# Altium PCB S7CAS-PLEIADES-CARTE-MERE_Pxx.PcbDoc (part 1 of 8) (continued)
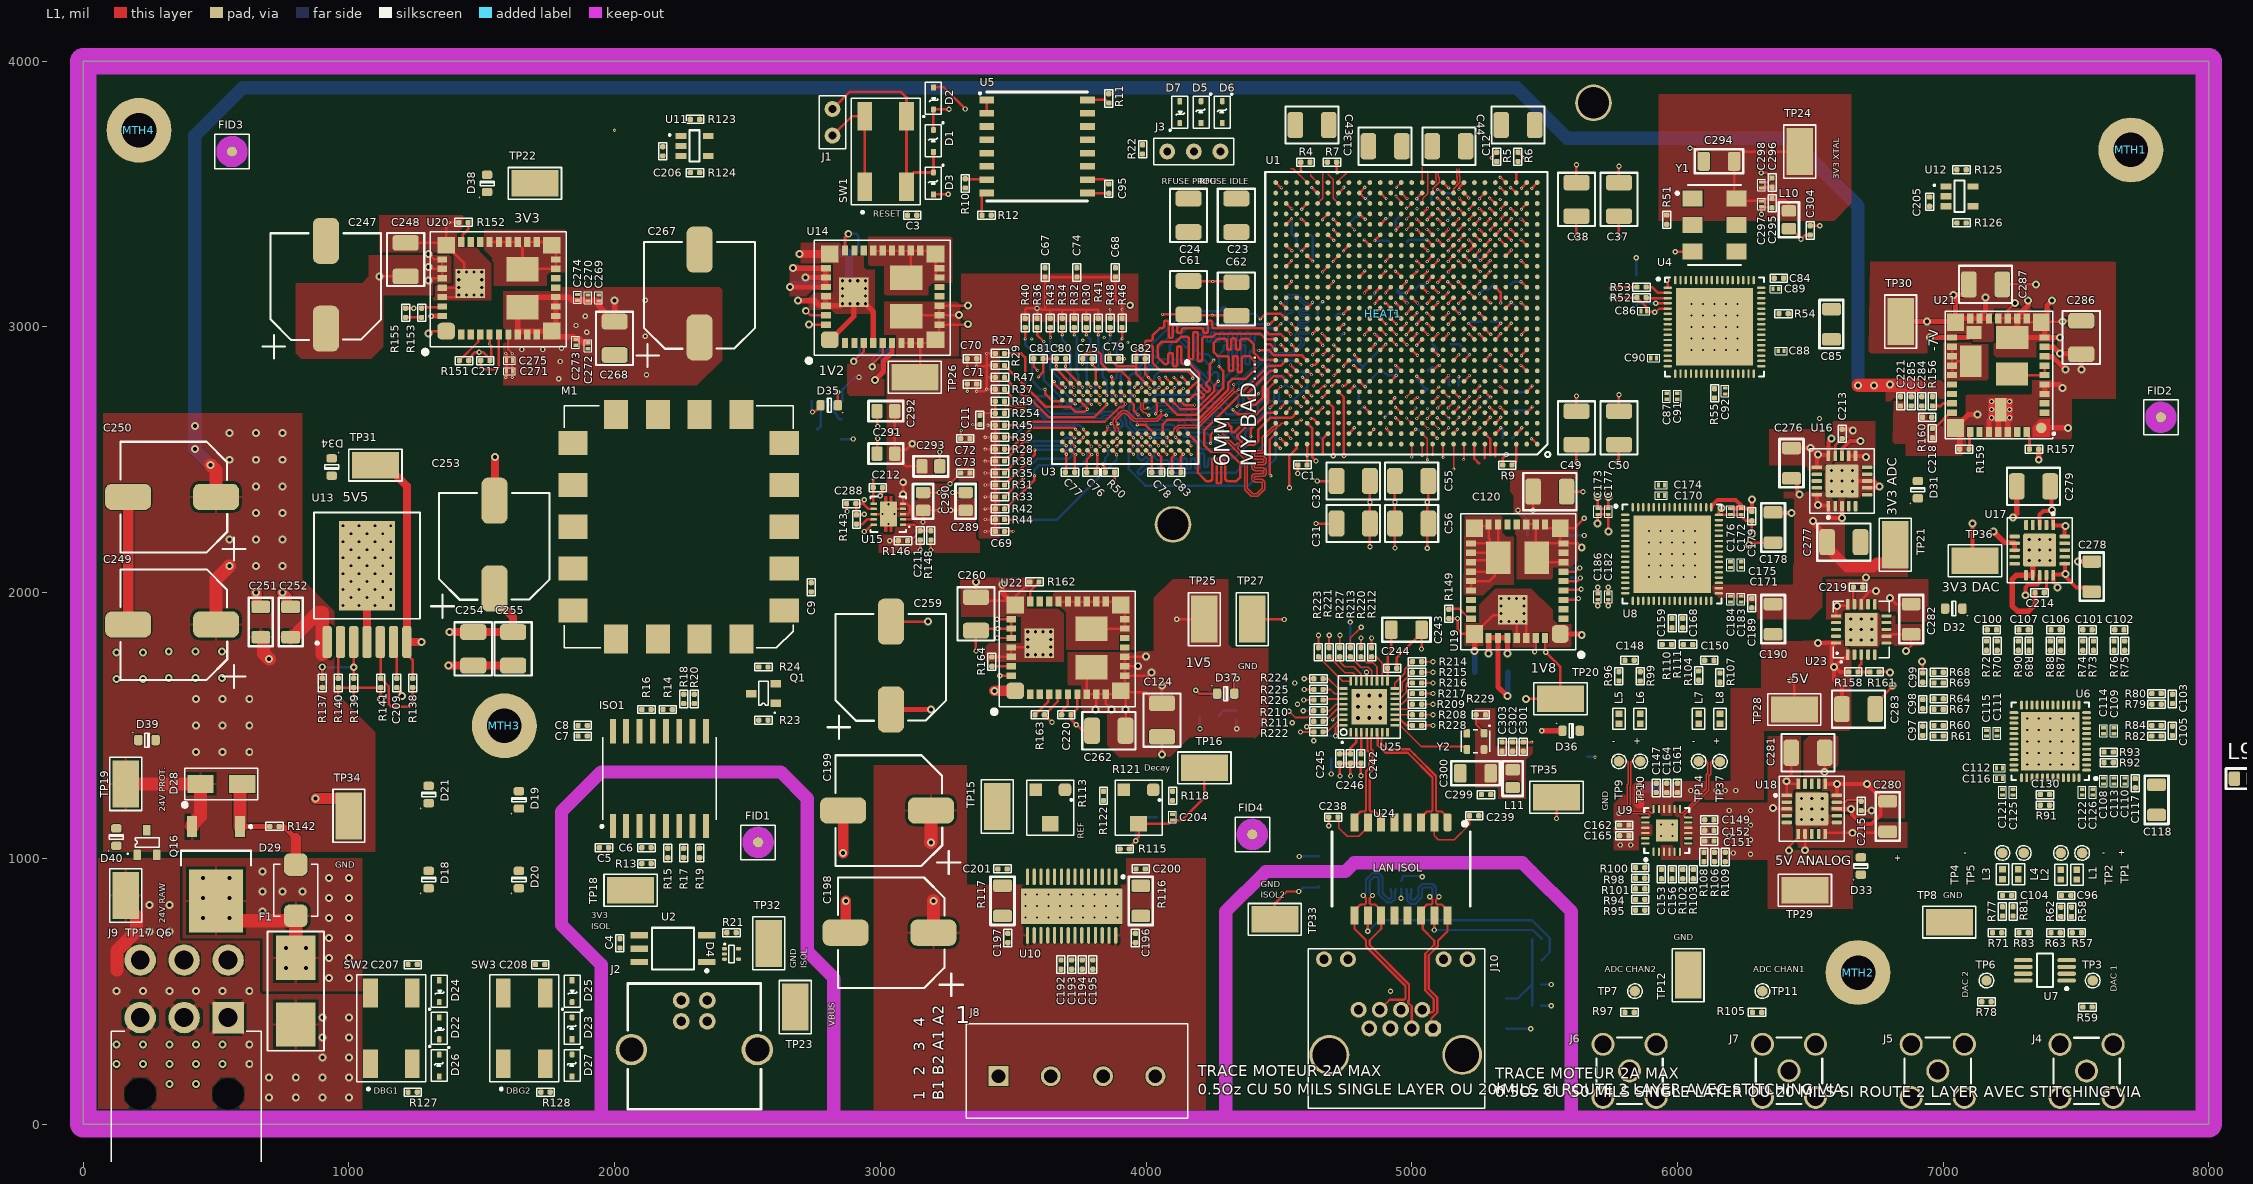
[diagram p0: L1 view]
## Classes and differential pairs
net class HEAVY_POWER: 24V_PROTECTED 24V_RAW NetD28_1 POWER_MOS_MID
net class MOT_POW: AOUT1 AOUT2 BOUT1 BOUT2
net class eth_diff: RX_ISOL_N RX_ISOL_P RX_N RX_P TX_ISOL_N TX_ISOL_P TX_N TX_P
differential pair class DDR_CLK_DIFF_PAIR: CK
net class DDR_CLK: CK_N CK_P
differential pair class DQL_CLK_DIFF_PAIR: LDQS
differential pair class DQH_CLK_DIFF_PAIR: UDQS
net class POWER_NET: 1V2_VCCINT 1V5_DIGITAL 1V8_DIGITAL 3V3_DIGITAL 3v3_ISOL 3V3_XTAL_125MHz 3V3A_ADC 3V3A_DAC 5V5 5V_A 24V_PROTECTED 24V_RAW -5V -7V GND ISOL2_GND ISOL_GND VBUS
differential pair class DDR_DIFF: CK LDQS UDQS
net class DDR_40OHM: A0 A1 A2 A3 A4 A5 A6 A7 A8 A9 A10 A11 A12 A13 BA0 BA1 BA2 CK_N CK_P CKE D0 D1 D2 D3 D4 D5 D6 D7 D8 D9 D10 D11 D12 D13 D14 D15 LDM nCAS nRAS nRESET nWE ODT UDM ZQ_RAM
differential pair class USB_90OHM: DD UD USB_DATA USB_DATA_ISOL
differential pair class LVDS: ADC_CLK_OUT CLK125MHz CLK_100MHz CLK_200MHz CLK_400MHz CLK_IC_200MHz D0 D1 D2 D3 D4 D5 D6 D7 DA0 DA2 DA4 DA6 DA8 DA10 DA12 DAC_REF_CLK DB0 DB2 DB4 DB6 DB8 DB10 DB12 DCI FRAME
differential pair class ETH75OHM: RX RX_ISOL TX TX_ISOL
differential pair class 100OHMDIFF: ADC1_IN ADC2_IN ADC_OP1_OUT ADC_OP2_OUT DAC1_MID DAC1_OUT DAC2_MID DAC2_OUT IND1 IND2 OPAMP1_IN OPAMP2_IN
net class 75OHM: NetC238_2 NetC239_2
net class 50OHM: ADC_OP_IN_1 ADC_OP_IN_2 NetR94_1 NetR94_2 NetR98_1 NetR98_2 NetR102_1 NetR102_2 NetR106_1 NetR106_2 NetR108_1
differential pair class OP_AMP_DIFF_CLASS: ADC1_IN ADC2_IN ADC_OP1_OUT ADC_OP2_OUT DAC1_MID DAC1_OUT DAC2_MID DAC2_OUT IND1 IND2 OPAMP1_IN OPAMP2_IN
net class DDR_DQH: D8 D9 D10 D11 D12 D13 D14 D15 UDM UDQS_N UDQS_P
differential pair class USB_DATA_PAIR: UD USB_DATA_ISOL
differential pair class ETH_ISOL_DIFF_PAIR: RX_ISOL TX_ISOL
differential pair class ETH_DIFF_PAIR: RX TX
differential pair class DQS_DIFF_PAIR: LDQS UDQS
differential pair class DDR_CK_PAIR: CK
differential pair class DAC_REF_CLK: DAC_REF_CLK
differential pair class DAC_DATA_PAIR: D0 D1 D2 D3 D4 D5 D6 D7 DCI FRAME
differential pair class CLK_400MHz: CLK_400MHz
differential pair class CLK_400MHz_PAIR: CLK_400MHz
differential pair class CLK_200MHz: CLK_200MHz CLK_IC_200MHz
differential pair class XTAL_CLK_125MHz: CLK125MHz
differential pair class CLK_100MHz: CLK_100MHz
differential pair class CLK_100MHz_PAIR: CLK_100MHz
differential pair class ADC_REF_CLOCK: ADC_CLK_OUT
differential pair class ADC_PAIR: DA0 DA2 DA4 DA6 DA8 DA10 DA12 DB0 DB2 DB4 DB6 DB8 DB10 DB12
differential pair class ADC_DATA_OUT: DA0 DA2 DA4 DA6 DA8 DA10 DA12 DB0 DB2 DB4 DB6 DB8 DB10 DB12
net class MII_TRANSMISSION_LINE: \MII_RST COL CRS INTRP MDC MDIO MII_CONFIG2 MII_NWAYEN MII_RXC MII_RXD0 MII_RXD1 MII_RXD2 MII_RXD3 MII_RXER MII_TXC MII_TXD0 MII_TXD1 MII_TXD2 MII_TXD3 MII_TXEN MII_TXER NetR206_1 NetR209_2 NetR210_2 NetR211_2 NetR212_2 NetR213_2 NetR214_2 NetR215_2 NetR216_2 NetR217_2 NetR220_2 NetR221_2 NetR222_2 NetR223_2 NetR224_2 NetR225_2 NetR226_2 NetR227_2 NetU25_9
net class DDR_DQL: D0 D1 D2 D3 D4 D5 D6 D7 LDM LDQS_N LDQS_P
net class DDR_ADDR: A0 A1 A2 A3 A4 A5 A6 A7 A8 A9 A10 A11 A12 A13 BA0 BA1 BA2 CKE nCAS nRAS nWE ODT
component class DNF_CLASS_COMPONENT: C222 C223 C224 C225 C226 C227 C228 C229 C230 C231 C232 C233 C234 C235 C236 C237 L9 R165 R166 R167 R168 R169 R170 R171 R172 R173 R174 R175 R176 R177 R178 R179 R180 R181 R182 R183 R184 R185 R186 R187 R188 R189 R190 R191 R192 R193 R194 R195 R196 R197 R198 R199 R200
differential pair OPAMP2_IN: +OPAMP2_IN_P -OPAMP2_IN_N
differential pair OPAMP1_IN: +OPAMP1_IN_P -OPAMP1_IN_N
differential pair DAC2_OUT: +DAC2_OUT_P -DAC2_OUT_N
differential pair DAC2_MID: +DAC2_MID_P -DAC2_MID_N
differential pair DAC1_OUT: +DAC1_OUT_P -DAC1_OUT_N
differential pair DAC1_MID: +DAC1_MID_P -DAC1_MID_N
differential pair IND2: +IND2_P -IND2_N
differential pair IND1: +IND1_P -IND1_N
differential pair ADC_OP2_OUT: +ADC_OP2_OUT_P -ADC_OP2_OUT_N
differential pair ADC_OP1_OUT: +ADC_OP1_OUT_P -ADC_OP1_OUT_N
differential pair ADC2_IN: +ADC2_IN_P -ADC2_IN_N
differential pair ADC1_IN: +ADC1_IN_P -ADC1_IN_N
differential pair USB_DATA: +USB_DATA_P -USB_DATA_N
differential pair USB_DATA_ISOL: +USB_DATA_ISOL_P -USB_DATA_ISOL_N
differential pair UD: +UD_P -UD_N
differential pair UDQS: +UDQS_P -UDQS_N
differential pair TX: +TX_P -TX_N
differential pair TX_ISOL: +TX_ISOL_P -TX_ISOL_N
differential pair RX: +RX_P -RX_N
differential pair RX_ISOL: +RX_ISOL_P -RX_ISOL_N
differential pair LDQS: +LDQS_P -LDQS_N
differential pair FRAME: +FRAME_P -FRAME_N
differential pair DD: +DD_P -DD_N
differential pair DCI: +DCI_P -DCI_N
differential pair DB12: +DB12_P -DB12_N
differential pair DB10: +DB10_P -DB10_N
differential pair DB8: +DB8_P -DB8_N
differential pair DB6: +DB6_P -DB6_N
differential pair DB4: +DB4_P -DB4_N
differential pair DB2: +DB2_P -DB2_N
differential pair DB0: +DB0_P -DB0_N
differential pair DAC_REF_CLK: +DAC_REF_CLK_P -DAC_REF_CLK_N
differential pair DA12: +DA12_P -DA12_N
differential pair DA10: +DA10_P -DA10_N
differential pair DA8: +DA8_P -DA8_N
differential pair DA6: +DA6_P -DA6_N
differential pair DA4: +DA4_P -DA4_N
differential pair DA2: +DA2_P -DA2_N
differential pair DA0: +DA0_P -DA0_N
differential pair D7: +D7_P -D7_N
differential pair D6: +D6_P -D6_N
differential pair D5: +D5_P -D5_N
differential pair D4: +D4_P -D4_N
differential pair D3: +D3_P -D3_N
differential pair D2: +D2_P -D2_N
differential pair D1: +D1_P -D1_N
differential pair D0: +D0_P -D0_N
differential pair CLK_IC_200MHz: +CLK_IC_200MHz_P -CLK_IC_200MHz_N
differential pair CLK_400MHz: +CLK_400MHz_P -CLK_400MHz_N
differential pair CLK_200MHz: +CLK_200MHz_P -CLK_200MHz_N
differential pair CLK_100MHz: +CLK_100MHz_P -CLK_100MHz_N
differential pair CLK125MHz: +CLK125MHz_P -CLK125MHz_N
differential pair CK: +CK_P -CK_N
differential pair ADC_CLK_OUT: +ADC_CLK_OUT_P -ADC_CLK_OUT_N

## Components (designator, comment, footprint, x,y, rotation, side; value= is the part's Value field where it differs from the comment)
C1 "0402" CAP_0402 4588.79,2480.31 r0 top value=100nF
C2 "0402" CAP_0402 4702.53,2952.75 r180 bottom value=100nF
C3 "0402" CAP_0402 3120,3420 r180 top value=100nF
C4 "0402" CAP_0402 2020,680 r270 top
C5 "0402" CAP_0402 1960,1040 r180 top
C6 "0402" CAP_0402 2120,1040 r0 top
C7 "0402" CAP_0402 1880,1460 r0 top
C8 "0402" CAP_0402 1880,1500 r0 top
C9 "0402" CAP_0402 2740,2020 r90 top value=0.47uF
C10 "0402" CAP_0402 5179.34,3503.93 r0 bottom value=0.47uF
C11 "0402" CAP_0402 3375,2650 r90 top
C12 "CAP - 1210" CAP_1210 5140,3680 r180 top value=47uF
C13 "CAP - 1210" CAP_1210 4900,3680 r0 top value=47uF
C15 "CAP - 0805" CAP_0805 4586.6,3346.45 r0 bottom value=4.7uF
C16 "CAP - 0805" CAP_0805 4684,3487 r0 bottom value=4.7uF
C18 "0402" CAP_0402 5236.21,3289.58 r270 bottom value=0.47uF
C19 "0402" CAP_0402 5196.84,3092.73 r270 bottom value=0.47uF
C20 "0402" CAP_0402 4940,3420 r0 bottom value=0.47uF
C21 "0402" CAP_0402 4864.38,3503.93 r0 bottom value=0.47uF
C22 "0402" CAP_0402 4741.9,3385.82 r0 bottom value=0.47uF
C23 "CAP - 1210" CAP_1210 4340,3420 r270 top value=47uF
C24 "CAP - 1210" CAP_1210 4160,3420 r270 top value=47uF
C25 "CAP - 0805" CAP_0805 4980,3140 r180 bottom value=4.7uF
C26 "CAP - 0805" CAP_0805 5113,2934 r180 bottom value=4.7uF
C27 "0402" CAP_0402 4864.38,3110.23 r0 bottom value=0.47uF
C28 "0402" CAP_0402 4940,3070 r180 bottom value=0.47uF
C29 "0402" CAP_0402 5039.36,3053.36 r270 bottom value=0.47uF
C30 "0402" CAP_0402 4881.88,2974.62 r270 bottom value=0.47uF
C31 "CAP - 1210" CAP_1210 4780,2260 r0 top value=47uF
C32 "CAP - 1210" CAP_1210 4780,2420 r0 top value=47uF
C33 "CAP - 0805" CAP_0805 5060,2800 r270 bottom value=4.7uF
C34 "0402" CAP_0402 5160,2780 r180 bottom value=0.47uF
C35 "0402" CAP_0402 5060,2717 r180 bottom value=0.47uF
C36 "0402" CAP_0402 5057,2599 r0 bottom value=0.47uF
C37 "CAP - 1210" CAP_1210 5780,3480 r270 top value=47uF
C38 "CAP - 1210" CAP_1210 5620,3480 r270 top value=47uF
C39 "CAP - 0805" CAP_0805 5340,3160 r0 bottom value=4.7uF
C40 "0402" CAP_0402 5280,3020 r180 bottom value=0.47uF
C41 "0402" CAP_0402 5415.56,3070.86 r180 bottom value=0.47uF
C42 "0402" CAP_0402 5354.32,3289.58 r270 bottom value=0.47uF
C43 "CAP - 1210" CAP_1210 4625,3760 r180 top value=47uF
C44 "CAP - 1210" CAP_1210 5400,3760 r0 top value=47uF
C45 "CAP - 0805" CAP_0805 4950,3320 r180 bottom value=4.7uF
C47 "0402" CAP_0402 5056.86,3464.56 r180 bottom value=0.47uF
C48 "0402" CAP_0402 5137.5,3425 r180 bottom value=0.47uF
C49 "CAP - 1210" CAP_1210 5620,2620 r90 top value=47uF
C50 "CAP - 1210" CAP_1210 5780,2620 r90 top value=47uF
C51 "CAP - 0805" CAP_0805 5380,2720 r270 bottom value=4.7uF
C53 "0402" CAP_0402 5255,2715 r0 bottom value=0.47uF
C54 "0402" CAP_0402 5360,2580 r0 bottom value=0.47uF
C55 "CAP - 1210" CAP_1210 5000,2420 r180 top value=47uF
C56 "CAP - 1210" CAP_1210 5000,2260 r180 top value=47uF
C57 "CAP - 0805" CAP_0805 4850,2845 r0 bottom value=4.7uF
C59 "0402" CAP_0402 4921.25,2699.03 r270 bottom value=0.47uF
C60 "0402" CAP_0402 4800,2700 r270 bottom value=0.47uF
C61 "CAP - 1210" CAP_1210 4160,3110 r270 top value=47uF
C62 "CAP - 1210" CAP_1210 4340,3105 r270 top value=47uF
C63 "CAP - 0805" CAP_0805 4680,3040 r180 bottom value=4.7uF
C65 "0402" CAP_0402 4623.79,2913.38 r180 bottom value=0.47uF
C66 "0402" CAP_0402 4525,2660 r90 bottom value=0.47uF
C67 "0402" CAP_0402 3620,3205 r270 top
C68 "0402" CAP_0402 3885,3205 r270 top
C69 "0402" CAP_0402 3450,2230 r180 top
C70 "0402" CAP_0402 3345,2880 r0 top
C71 "0402" CAP_0402 3345,2785 r0 top
C72 "0402" CAP_0402 3320,2580 r0 top
C73 "0402" CAP_0402 3320,2450 r0 top
C74 "0402" CAP_0402 3740,3205 r270 top
C75 "0402" CAP_0402 3780,2880 r180 top
C76 "0402" CAP_0402 3794,2452.82 r180 top
C77 "0402" CAP_0402 3714,2452.82 r0 top
C78 "0402" CAP_0402 4039,2452.82 r0 top
C79 "0402" CAP_0402 3880,2880 r180 top
C80 "0402" CAP_0402 3680,2880 r180 top
C81 "0402" CAP_0402 3595,2880 r0 top
C82 "0402" CAP_0402 3980,2880 r180 top
C83 "0402" CAP_0402 4114,2452.82 r180 top
C84 "0402" CAP_0402 6381.69,3183.31 r180 top value=1uF
C85 "CAP - 1206" CAP_1206 6579.69,3010 r270 top value=22uF
C86 "CAP - 0201" CAP_0201 5873.69,3060 r0 top value=1nF
C87 "CAP - 0201" CAP_0201 5959.69,2739 r90 top value=1nF
C88 "CAP - 0201" CAP_0201 6390.69,2910 r180 top value=1nF
C89 "CAP - 0201" CAP_0201 6370.69,3143.31 r180 top value=220pF
C90 "CAP - 0201" CAP_0201 5910.69,2883.31 r0 top value=220pF
C91 "CAP - 0201" CAP_0201 5999.69,2739 r90 top value=220pF
C92 "CAP - 0201" CAP_0201 6179.69,2759 r90 top value=220pF
C93 "CAP - 1206" CAP_1206 6399.69,2890 r90 bottom value=10uF
C94 "CAP - 1206" CAP_1206 5844.69,3137 r270 bottom value=10uF
C95 "0402" CAP_0402 3860,3520 r270 top value=100nF
C96 "0402" CAP_0402 7463.31,860 r0 top value=1pF
C97 "0402" CAP_0402 6923.31,1480 r270 top value=100nF
C98 "0402" CAP_0402 6923.31,1580 r270 top value=100nF
C99 "0402" CAP_0402 6923.31,1680 r270 top value=100nF
C100 "0402" CAP_0402 7183.31,1860 r180 top value=100nF
C101 "0402" CAP_0402 7543.31,1860 r180 top value=100nF
C102 "0402" CAP_0402 7663.31,1860 r0 top value=100nF
C103 "0402" CAP_0402 7863.31,1600 r90 top value=100nF
C104 "0402" CAP_0402 7240.81,860 r180 top value=1pF
C105 "0402" CAP_0402 7863.31,1480 r90 top value=100nF
C106 "0402" CAP_0402 7423.31,1860 r180 top value=100nF
C107 "0402" CAP_0402 7303.31,1860 r180 top value=100nF
C108 "CAP - 0201" CAP_0201 7603.31,1291 r90 top value=220pF
C109 "CAP - 0201" CAP_0201 7643.31,1480 r270 top value=220pF
C110 "CAP - 0201" CAP_0201 7683.31,1291 r90 top value=220pF
C111 "CAP - 0201" CAP_0201 7203.31,1471 r270 top value=220pF
C112 "CAP - 0201" CAP_0201 7212.31,1340 r0 top value=220pF
C113 "CAP - 0201" CAP_0201 7643.31,1291 r90 top value=1nF
C114 "CAP - 0201" CAP_0201 7603.31,1480 r270 top value=1nF
C115 "CAP - 0201" CAP_0201 7163.31,1471 r270 top value=1nF
C116 "CAP - 0201" CAP_0201 7212.31,1300 r0 top value=1nF
C117 "0402" CAP_0402 7723.31,1282.5 r90 top value=100nF
C118 "CAP - 1206" CAP_1206 7803.31,1220 r90 top value=10uF
C119 "CAP - 1206" CAP_1206 4650,950 r270 bottom value=1000pF
C120 "CAP - 1210" CAP_1210 5520,2380 r180 top value=47uF
C121 "CAP - 0201" CAP_0201 7223.31,1249 r90 top value=220pF
C122 "CAP - 0201" CAP_0201 7523.31,1249 r90 top value=220pF
C123 "CAP - 0201" CAP_0201 7532.31,1260 r180 bottom value=220pF
C124 "CAP - 1210" CAP_1210 4060,1520 r90 top value=47uF
C125 "CAP - 0201" CAP_0201 7263.31,1249 r90 top value=1nF
C126 "CAP - 0201" CAP_0201 7563.31,1249 r90 top value=1nF
C127 "CAP - 0201" CAP_0201 7532.31,1220 r180 bottom value=1nF
C128 "0402" CAP_0402 7543.31,1180 r180 bottom value=100nF
C129 "CAP - 1206" CAP_1206 7643.31,1200 r270 bottom value=10uF
C130 "0402" CAP_0402 7383.31,1240 r0 top value=100nF
C133 "CAP - 0402" CAP_0402 7234.81,588.39 r270 bottom value=10nF
C136 "0402" CAP_0402 7274.81,588.39 r270 bottom value=100nF
C137 "0402" CAP_0402 7314.81,588.39 r270 bottom value=470nF
C138 "CAP - 1206" CAP_1206 7314.81,488.39 r180 bottom value=10uF
C141 "CAP - 0402" CAP_0402 7494.81,528.39 r180 bottom value=10nF
C144 "0402" CAP_0402 7494.81,568.39 r180 bottom value=100nF
C145 "0402" CAP_0402 7494.81,608.39 r180 bottom value=470nF
C146 "CAP - 1206" CAP_1206 7434.81,688.39 r0 bottom value=10uF
C147 "0402" CAP_0402 5920,1265 r270 top value=100nF
C148 "0402" CAP_0402 5820,1745 r180 top value=39p
C149 "0402" CAP_0402 6120,1145 r180 top value=100n
C150 "0402" CAP_0402 6120,1745 r180 top value=39p
C151 "CAP - 0402" CAP_0402 6120,1065 r180 top value=10nF
C152 "0402" CAP_0402 6120,1105 r180 top value=100nF
C153 "CAP - 0402" CAP_0402 5940,940 r90 top value=10nF
C156 "0402" CAP_0402 5980,940 r90 top value=100nF
C157 "0402" CAP_0402 5920,945 r90 bottom value=470nF
C158 "CAP - 1206" CAP_1206 6000,885 r90 bottom value=10uF
C159 "0402" CAP_0402 5980,1885 r270 top value=100nF
C161 "CAP - 0402" CAP_0402 6000,1265 r270 top value=10nF
C162 "CAP - 0402" CAP_0402 5800,1125 r0 top value=10nF
C164 "0402" CAP_0402 5960,1265 r270 top value=100nF
C165 "0402" CAP_0402 5800,1085 r0 top value=100nF
C166 "0402" CAP_0402 6000,1265 r270 bottom value=470nF
C167 "CAP - 1206" CAP_1206 5920,1325 r270 bottom value=10uF
C168 "0402" CAP_0402 6020,1885 r270 top value=100nF
C170 "CAP - 0201" CAP_0201 5940,2365 r0 top value=220pF
C171 "CAP - 0201" CAP_0201 6200,2105 r270 top value=220pF
C172 "CAP - 0201" CAP_0201 6240,2305 r270 top value=220pF
C173 "CAP - 0201" CAP_0201 5700,2305 r270 top value=220pF
C174 "CAP - 0201" CAP_0201 5940,2405 r0 top value=1nF
C175 "CAP - 0201" CAP_0201 6240,2105 r270 top value=1nF
C176 "CAP - 0201" CAP_0201 6200,2305 r270 top value=1nF
C177 "CAP - 0201" CAP_0201 5740,2305 r270 top value=1nF
C178 "0402" CAP_0402 6280,2287.5 r270 top value=100nF
C179 "CAP - 1206" CAP_1206 6360,2245 r270 top value=10uF
C182 "CAP - 0201" CAP_0201 5740,1985 r90 top value=220pF
C183 "CAP - 0201" CAP_0201 6240,1976 r90 top value=220pF
C184 "CAP - 0201" CAP_0201 6200,1976 r90 top value=220pF
C186 "CAP - 0201" CAP_0201 5700,1985 r90 top value=1nF
C187 "CAP - 0201" CAP_0201 6240,1976 r90 bottom value=1nF
C188 "CAP - 0201" CAP_0201 6200,1976 r90 bottom value=1nF
C189 "0402" CAP_0402 6280,1960 r90 top value=100nF
C190 "CAP - 1206" CAP_1206 6360,1900 r90 top value=10uF
C191 "CAP - 0201" CAP_0201 3629,1075 r180 bottom value=1nF
C192 "0402" CAP_0402 3680,600 r90 top value=220nF
C193 "0402" CAP_0402 3720,600 r270 top value=220nF
C194 "0402" CAP_0402 3760,600 r90 top value=220nF
C195 "0402" CAP_0402 3800,600 r90 top value=220nF
C196 "0402" CAP_0402 3960,700 r270 top value=220nF
C197 "0402" CAP_0402 3480,700 r270 top value=220nF
C198 "MAL215099101E3" CAP_ALU_1010_vishay 2869.29,720 r0 top value=100uF
C199 "MAL215099101E3" CAP_ALU_1010_vishay 2860,1180 r0 top value=100uF
C200 "0402" CAP_0402 3980,960 r180 top value=100nF
C201 "0402" CAP_0402 3460,960 r0 top value=100nF
C202 "CAP - 0201" CAP_0201 3749,920 r0 bottom value=1nF
C203 "CAP - 0201" CAP_0201 3669,920 r180 bottom value=1nF
C204 "CAP - 0201" CAP_0201 4100,1155 r270 top value=1nF
C205 "0402" CAP_0402 6949.32,3471.28 r270 top value=1uF
C206 "0402" CAP_0402 2181.3,3660.94 r270 top value=1uF
C207 "0402" CAP_0402 1240,600 r0 top value=100nF
C208 "0402" CAP_0402 1720,600 r0 top value=100nF
C209 "0402" CAP_0402 1180,1660 r90 top
C210 "CAP - 0402" CAP_0402 3020,2920 r180 bottom
C211 "0402" CAP_0402 3150.48,2215.2 r90 top
C212 "0402" CAP_0402 2990.48,2395.2 r180 top
C213 "0402" CAP_0402 6620,2597.5 r90 top value=100nF
C214 "0402" CAP_0402 7363.31,2000 r180 top locked value=100nF
C215 "0402" CAP_0402 6691.42,1197.09 r270 top locked value=100nF
C216 "CAP - 0402" CAP_0402 5600,2075 r270 bottom
C217 "CAP - 0402" CAP_0402 1513.48,2873.17 r180 top value=10nF
C218 "CAP - 0402" CAP_0402 6960,2600 r270 top value=10nF
C219 "0402" CAP_0402 6680,2020 r0 top value=100nF
C220 "CAP - 0402" CAP_0402 3700,1540 r180 top value=10nF
C221 "0402" CAP_0402 6840,2720 r90 top value=2.2uF
C222 "CAP - 0201" CAP_0201 20370,1320 r90 top value=220pF
C223 "CAP - 0201" CAP_0201 20660,1320 r90 top value=1nF
C224 "CAP - 0402" CAP_0402 20950,1310 r90 top value=10nF
C225 "0402" CAP_0402 21240,1310 r90 top value=100nF
C226 "0402" CAP_0402 21530,1310 r90 top value=220nF
C227 "0402" CAP_0402 21820,1310 r90 top value=470nF
C228 "0402" CAP_0402 22110,1310 r90 top value=1uF
C229 "0402" CAP_0402 22400,1310 r90 top value=2.2uF
C230 "CAP - 0805" CAP_0805 22710,1270 r90 top value=4.7uF
C231 "CAP - 1206" CAP_1206 23010,1250 r90 top value=10uF
C232 "CAP - 1206" CAP_1206 23280,1250 r90 top value=22uF
C233 "CAP - 1210" CAP_1210 23620,1270 r0 top value=47uF
C234 "CAP - 1206" CAP_1206 23860,1250 r90 top value=1000pF
C235 "MAL215099101E3" CAP_ALU_1010_vishay 14470,1120 r0 top value=100uF
C236 "MAL214699501E3" CAP_ALU_1010_vishay 15070,1120 r0 top value=330uF
C237 "MAL214699108E3" CAP_ALU_1616_vishay 15740,990 r0 top value=470uF
C238 "0402" CAP_0402 4705,1155 r0 top value=100nF
C239 "0402" CAP_0402 5235,1160 r180 top value=100nF
C240 "CAP - 1206" CAP_1206 5355,415 r90 bottom value=1000pF
C241 "CAP - 1206" CAP_1206 4754.05,1375.51 r0 bottom locked value=22uF
C242 "0402" CAP_0402 4809.05,1375.51 r90 top locked value=100nF
C243 "CAP - 1206" CAP_1206 4980,1860 r180 top value=22uF
C244 "0402" CAP_0402 4926.55,1715.51 r180 top value=100nF
C245 "0402" CAP_0402 4729.05,1375.51 r90 top locked value=2.2uF
C246 "0402" CAP_0402 4769.05,1375.51 r90 top locked value=100nF
C247 "MAL215099101E3" CAP_ALU_1010_vishay 913.48,3323.87 r270 top value=100uF
C248 "CAP - 1210" CAP_1210 1213.48,3253.17 r270 top value=47uF
C249 "MAL215099101E3" CAP_ALU_1010_vishay 169.29,1880 r0 top
C250 "MAL215099101E3" CAP_ALU_1010_vishay 169.29,2360 r0 top value=100uF
C251 "CAP - 1206" CAP_1206 668.03,1889.41 r270 top value=10uF
C252 "CAP - 1206" CAP_1206 780.75,1889.41 r270 top value=10uF
C253 "MAL214699501E3" CAP_ALU_1010_vishay 1548.03,2346.21 r270 top value=330uF
C254 "CAP - 1210" CAP_1210 1468.03,1788.51 r90 top value=47uF
C255 "CAP - 1210" CAP_1210 1618.03,1788.51 r90 top value=47uF
C256 "CAP - 1210" CAP_1210 5300,1700 r0 bottom value=47uF
C258 "CAP - 1210" CAP_1210 5500,2215 r180 bottom value=47uF
C259 "MAL215099101E3" CAP_ALU_1010_vishay 3040,1890.71 r270 top value=100uF
C260 "CAP - 1210" CAP_1210 3360,1920 r270 top value=47uF
C262 "CAP - 1210" CAP_1210 3860,1480 r0 top value=47uF
C264 "CAP - 1210" CAP_1210 2780,3220 r270 bottom value=47uF
C266 "CAP - 1210" CAP_1210 3200,2960 r180 bottom value=47uF
C267 "MAL215099101E3" CAP_ALU_1010_vishay 2320,3290.71 r270 top value=100uF
C268 "CAP - 1210" CAP_1210 2000,2957.01 r90 top value=47uF
C269 "CAP - 0201" CAP_0201 1940,3109 r270 top value=1nF
C270 "CAP - 0201" CAP_0201 1900,3109 r270 top value=1nF
C271 "CAP - 0201" CAP_0201 1604.48,2833.17 r180 top value=1nF
C272 "CAP - 0201" CAP_0201 1900,2929 r90 top value=220pF
C273 "CAP - 0201" CAP_0201 1853.48,2942.17 r90 top value=220pF
C274 "CAP - 0201" CAP_0201 1860,3111 r270 top value=220pF
C275 "CAP - 0201" CAP_0201 1604.48,2873.17 r180 top value=220pF
C276 "CAP - 1206" CAP_1206 6429.37,2487 r90 top value=10uF
C277 "CAP - 1210" CAP_1210 6626.38,2190 r180 top value=47uF
C278 "CAP - 1206" CAP_1206 7559.69,2060 r270 top value=10uF
C279 "CAP - 1210" CAP_1210 7340,2400 r0 top locked value=47uF
C280 "CAP - 1206" CAP_1206 6791.42,1157.09 r90 top locked value=10uF
C281 "CAP - 1210" CAP_1210 6491.42,1397.09 r180 top locked value=47uF
C282 "CAP - 1206" CAP_1206 6880,1900 r90 top value=10uF
C283 "CAP - 1210" CAP_1210 6681.94,1561.28 r180 top value=47uF
C284 "CAP - 0402" CAP_0402 6920,2720 r90 top value=2.2uF
C285 "CAP - 0402" CAP_0402 6880,2720 r90 top value=2.2uF
C286 "CAP - 1210" CAP_1210 7520,2960 r270 top value=47uF
C287 "CAP - 1210" CAP_1210 7160,3160 r180 top value=47uF
C288 "CAP - 0402" CAP_0402 2890.48,2335.2 r0 top value=1uF
C289 "CAP - 0805" CAP_0805 3320.95,2343.07 r270 top value=10uF
C290 "CAP - 0805" CAP_0805 3160.95,2343.07 r270 top value=10uF
C291 "CAP - 0805" CAP_0805 3020.95,2523.07 r0 top value=10uF
C292 "CAP - 0805" CAP_0805 3020.95,2683.07 r0 top value=10uF
C293 "CAP - 0805" CAP_0805 3190.48,2475.2 r180 top value=10uF
C294 "CAP - 1206" CAP_1206 6156.27,3623.09 r0 top value=22uF
C295 "CAP - 0402" CAP_0402 6356.27,3465.59 r90 top value=10nF
C296 "CAP - 0402" CAP_0402 6356.27,3543.09 r270 top value=10nF
C297 "CAP - 0201" CAP_0201 6316.27,3463.09 r90 top value=1nF
C298 "CAP - 0201" CAP_0201 6316.27,3534.09 r270 top value=1nF
C299 "CAP - 0402" CAP_0402 5280,1240 r0 top value=100nF
C300 "CAP - 1206" CAP_1206 5240,1320 r0 top value=22uF
C301 "CAP - 0402" CAP_0402 5420,1420 r270 top value=100nF
C302 "CAP - 0402" CAP_0402 5380,1420 r270 top value=10nF
C303 "CAP - 0402" CAP_0402 5340,1420 r270 top value=10nF
C304 "CAP - 0402" CAP_0402 6499.69,3363.31 r270 top value=10nF
D1 "SP4020-01FTG" "SOD323 - UNIDIR" 3200,3700 r270 top
D2 "SP4020-01FTG" "SOD323 - UNIDIR" 3200,3860 r90 top
D3 "SP4020-01FTG" "SOD323 - UNIDIR" 3200,3540 r270 top
D4 "TPD2E001DRLR" TVS_USB_TPD2E001DRLR 2440,640 r0 top
D5 "SP4020-01FTG" "SOD323 - UNIDIR" 4207.13,3808.19 r270 top
D6 "SP4020-01FTG" "SOD323 - UNIDIR" 4287.13,3808.19 r270 top
D7 "SP4020-01FTG" "SOD323 - UNIDIR" 4127.13,3808.19 r90 top
D8 "SMBJ24CA" TVS_PWR_SMBJ36CA 3440,480 r90 bottom value="Vbr = 26.7V -  Clamp = 38.9V"
D9 "SMBJ24CA" TVS_PWR_SMBJ36CA 3640,480 r90 bottom value="Vbr = 26.7V -  Clamp = 38.9V"
D10 "SMBJ24CA" TVS_PWR_SMBJ36CA 4040,480 r90 bottom value="Vbr = 26.7V -  Clamp = 38.9V"
D11 "SMBJ24CA" TVS_PWR_SMBJ36CA 3840,480 r90 bottom value="Vbr = 26.7V -  Clamp = 38.9V"
D12 "SP4020-01FTG" "SOD323 - UNIDIR" 4040,1195 r270 bottom
D13 "SP4020-01FTG" "SOD323 - UNIDIR" 3560,1195 r270 bottom
D14 "SP4020-01FTG" "SOD323 - UNIDIR" 3920,1255 r180 bottom
D15 "SP4020-01FTG" "SOD323 - UNIDIR" 3680,1155 r0 bottom
D16 "SP4020-01FTG" "SOD323 - UNIDIR" 3920,1155 r180 bottom
D17 "SP4020-01FTG" "SOD323 - UNIDIR" 3680,1255 r0 bottom
D18 "SML-311UTT86" LED_0603 1300,920 r90 top value=RED
D19 "SML-311UTT86" LED_0603 1640,1220 r90 top value=RED
D20 "SML-311DTT86" LED_0603 1640,920 r90 top value=ORANGE
D21 "SML-311DTT86" LED_0603 1300,1240 r90 top value=ORANGE
D22 "SP4020-01FTG" "SOD323 - UNIDIR" 1340,360 r90 top
D23 "SP4020-01FTG" "SOD323 - UNIDIR" 1840,360 r270 top
D24 "SP4020-01FTG" "SOD323 - UNIDIR" 1340,500 r90 top
D25 "SP4020-01FTG" "SOD323 - UNIDIR" 1840,500 r90 top
D26 "SP4020-01FTG" "SOD323 - UNIDIR" 1340,220 r270 top
D27 "SP4020-01FTG" "SOD323 - UNIDIR" 1840,220 r270 top
D28 "SMAZ15-13-F" SMA 520,1280 r0 top
D29 "SMBJ24CA" TVS_PWR_SMBJ36CA 800,880 r90 top value="Vbr = 26.7V -  Clamp = 38.9V"
D30 "TPD4E05U06" TVS_DATA_TPD4E05U06 4960,900 r90 bottom value="4 unidirectionnal channels"
D31 "SML-311UTT86" LED_0603 6905,2387.5 r90 top value=RED
D32 "SML-311UTT86" LED_0603 7040,1940 r180 top value=RED
D33 "SML-311UTT86" LED_0603 6690.45,970.98 r90 top value=RED
D34 "SML-311UTT86" LED_0603 935,2472.5 r270 top value=RED
D35 "SML-311UTT86" LED_0603 2807.5,2705 r180 top value=RED
D36 "SML-311UTT86" LED_0603 5600,1480 r0 top value=RED
D37 "SML-311UTT86" LED_0603 4300,1620 r0 top value=RED
D38 "SML-311UTT86" LED_0603 1520,3540 r90 top value=RED
D39 "SML-311UTT86" LED_0603 240,1445 r0 top value=RED
D40 "SML-311UTT86" LED_0603 125,1080 r90 top value=RED
F1 "0154005.DR" FUS_0154XXX.DR 800,500 r90 top value="5A 125V AC/DC FAST"
FID1 "FID 1MM" "FID_CIRCLE_1MM - PASTE_MASK" 2540,1060 r90 top
FID2 "FID 1MM" "FID_CIRCLE_1MM - PASTE_MASK" 7820,2660 r90 top
FID3 "FID 1MM" "FID_CIRCLE_1MM - PASTE_MASK" 560,3660 r90 top
FID4 "FID 1MM" "FID_CIRCLE_1MM - PASTE_MASK" 4400,1090 r90 top
HEAT1 "ATS-H1-164-C2-R0" ATS-H1-164-C2-R0 4924.53,3028.22 r90 top
ISO1 "ADUM3160BRWZ-RL" ISO_ADUM3160BRWZ-RL 2168.5,1300 r90 top
J1 "Part Number" "MALE HEADER - 1x2 2.54mm" 2820,3720 r0 top
J2 "USB-B-S-F-B-TH" CON_USB_USB-B-S-F-B-TH 2300,280 r0 top
J3 "Part Number" "MALE HEADER - 1x3 2.54mm" 4180,3660 r270 top
J4 "5-1814400-1" CONN_SMA_5-1814400-1 7540,199.69 r180 top
J5 "5-1814400-1" CONN_SMA_5-1814400-1 6980,200 r180 top
J6 "5-1814400-1" CONN_SMA_5-1814400-1 5820,200 r180 top
J7 "5-1814400-1" CONN_SMA_5-1814400-1 6420,200 r180 top
J8 "OSTTC040162" CONN_TERMINAL_OSTTA040161 3740,180 r0 top
J9 "0039300060" CON_MINIFIT_0039300060 380,220 r180 top
J10 "RJHSE-5385" CONN_ETHERNET_RJHSE-5385 4940,360 r0 top locked
L1 "INDUCTOR - 0402" "IND - 0402" 7503.31,938.7 r270 top value=[VALUE]
L2 "INDUCTOR - 0402" "IND - 0402" 7443.31,938.7 r270 top value=[VALUE]
L3 "INDUCTOR - 0402" "IND - 0402" 7223.31,940 r270 top value=[VALUE]
L4 "INDUCTOR - 0402" "IND - 0402" 7283.31,940 r270 top value=[VALUE]
L5 "INDUCTOR - 0402" "IND - 0402" 5780,1525 r90 top value=40nH
L6 "INDUCTOR - 0402" "IND - 0402" 5860,1525 r90 top value=40nH
L7 "INDUCTOR - 0402" "IND - 0402" 6080,1525 r90 top value=40nH
L8 "INDUCTOR - 0402" "IND - 0402" 6160,1525 r90 top value=40nH
L9 "FER - 0805" FER_0805 8130,1300 r0 top value="50mR@0Hz / 330R@100MHz"
L10 "FER - 0805" FER_0805 6419.69,3403.31 r270 top value="50mR@0Hz / 330R@100MHz"
L11 "FER - 0805" FER_0805 5380,1300 r270 top value="50mR@0Hz / 330R@100MHz"
M1 "410-357-B" MOD_JTAG_410-357-B 2241.26,2247.76 r90 top
MTH1 "M3" MTH_M3 7706.55,3666.03 r0 top
MTH2 "M3" MTH_M3 6680,570 r0 top
MTH3 "M3" MTH_M3 1584.96,1498.64 r0 top
MTH4 "M3" MTH_M3 210,3740 r0 top
Q1 "BSS84-7-F" SOT23-3#1 2560,1620 r90 top
Q2 "BSH103,215" SOT23-3#2 1180,840 r180 bottom
Q3 "BSH103,215" SOT23-3#2 1520,1140 r180 bottom
Q4 "BSH103,215" SOT23-3#2 1520,840 r180 bottom
Q5 "BSH103,215" SOT23-3#2 1180,1140 r180 bottom
Q6 "SUD50P06-15L-E3" TO-252 500,940 r270 top
Q7 "BSH103,215" SOT23-3#2 6820,2380 r180 bottom
Q8 "BSH103,215" SOT23-3#2 7040,1820 r270 bottom
Q9 "BSH103,215" SOT23-3#2 6596.45,968.51 r180 bottom
Q10 "BSH103,215" SOT23-3#2 1020,2480 r0 bottom
Q11 "BSH103,215" SOT23-3#2 2807.5,2615 r270 bottom
Q12 "BSH103,215" SOT23-3#2 5560,1440 r180 bottom
Q13 "BSH103,215" SOT23-3#2 4240,1580 r180 bottom
Q14 "BSH103,215" SOT23-3#2 1401,3557.54 r180 bottom
Q15 "BSH103,215" SOT23-3#2 206,1557 r90 bottom
Q16 "BSH103,215" SOT23-3#1 240,1060 r0 top
R1 "RES - 0603" RES_0402 4623.79,2598.42 r180 bottom value=240R
R2 "RES - 0603" RES_0402 4628.16,2716.53 r180 bottom value=4.7K
R3 "RES - 0603" RES_0402 4665,2755 r180 bottom value=4.7K
R4 "RES - 0603" RES_0402 4600,3620 r180 top value=330R
R5 "RES - 0603" RES_0402 5320,3640 r90 top value=4.7K
R6 "RES - 0603" RES_0402 5400,3640 r90 top value=4.7K
R7 "RES - 0603" RES_0402 4700,3620 r180 top value=0R
R8 "RES - 0603" RES_0402 4864.38,3464.56 r0 bottom value=0R
R9 "RES - 0603" RES_0402 5360,2480 r0 top value=0R
R10 "RES - 0603" RES_0402 3320,3540 r270 top value=2.4K
R11 "RES - 0603" RES_0402 3860,3860 r90 top value=4.7K
R12 "RES - 0603" RES_0402 3400,3420 r0 top value=0R
R13 "RES - 0603" RES_0402 2120,980 r180 top
R14 "RES - 0603" RES_0402 2200,1560 r180 top
R15 "RES - 0603" RES_0402 2200,1020 r270 top
R16 "RES - 0603" RES_0402 2120,1560 r0 top
R17 "RES - 0402" RES_0402 2260,1020 r270 top
R18 "RES - 0402" RES_0402 2260,1600 r270 top
R19 "RES - 0402" RES_0402 2320,1020 r270 top
R20 "RES - 0402" RES_0402 2300,1600 r270 top
R21 "RES - 0603" RES_0402 2440,720 r180 top
R22 "RES - 0402" RES_0402 3987.13,3668.19 r270 top value=1K14
R23 "RES - 0603" RES_0402 2560,1520 r180 top value=10K
R24 "RES - 0603" RES_0402 2560,1720 r180 top value=10K
R25 "RES - 0603" RES_0402 4527.55,3167.1 r270 bottom value=0R
R26 "RES - 0603" RES_0402 4685.03,3210.84 r90 bottom value=0R
R27 "RES - 0603" RES_0402 3450,2900 r0 top
R28 "RES - 0603" RES_0402 3450,2540 r0 top
R29 "RES - 0603" RES_0402 3450,2855 r0 top
R30 "RES - 0603" RES_0402 3775,3015 r270 top
R31 "RES - 0603" RES_0402 3450,2405 r0 top
R32 "RES - 0603" RES_0402 3730,3015 r270 top
R33 "RES - 0603" RES_0402 3450,2360 r0 top
R34 "RES - 0603" RES_0402 3685,3015 r270 top
R35 "RES - 0603" RES_0402 3450,2450 r0 top
R36 "RES - 0603" RES_0402 3590,3015 r270 top
R37 "RES - 0603" RES_0402 3450,2765 r0 top
R38 "RES - 0603" RES_0402 3450,2495 r0 top
R39 "RES - 0603" RES_0402 3450,2585 r0 top
R40 "RES - 0603" RES_0402 3545,3015 r270 top
R41 "RES - 0603" RES_0402 3820,3015 r270 top
R42 "RES - 0603" RES_0402 3450,2315 r0 top
R43 "RES - 0603" RES_0402 3640,3015 r270 top
R44 "RES - 0603" RES_0402 3450,2275 r0 top
R45 "RES - 0603" RES_0402 3450,2630 r0 top
R46 "RES - 0603" RES_0402 3910,3015 r270 top
R47 "RES - 0603" RES_0402 3450,2810 r0 top
R48 "RES - 0603" RES_0402 3865,3015 r270 top
R49 "RES - 0603" RES_0402 3450,2720 r0 top
R50 "RES - 0603" RES_0402 3864,2452.82 r180 top
R51 "RES - 0603" RES_0402 5959.69,3403.31 r90 top value=0R
R52 "RES - 0603" RES_0402 5865,3110 r180 top value=1K
R53 "RES - 0603" RES_0402 5865,3150 r180 top value=1K
R54 "RES - 0603" RES_0402 6399.69,3050 r0 top value=1K
R55 "RES - 0603" RES_0402 6139.69,2750 r270 top value=10K
R56 "RES - 0603" RES_0402 6259.69,2750 r90 bottom value=1K
R57 "RES - 0603" RES_0402 7503.31,720 r180 top value=50R
R58 "RES - 0603" RES_0402 7483.31,798.7 r90 top value=51R
R59 "RES - 0603" RES_0402 7543.31,440 r0 top value=51R
R60 "RES - 0603" RES_0402 6983.31,1500 r180 top value=49R9
R61 "RES - 0603" RES_0402 6983.31,1460 r180 top value=49R9
R62 "RES - 0603" RES_0402 7443.31,798.7 r90 top value=51R
R63 "RES - 0603" RES_0402 7423.31,720 r0 top value=51R
R64 "RES - 0603" RES_0402 6983.31,1600 r0 top value=49R9
R65 "RES - 0603" RES_0402 7503.31,1140 r180 bottom value=100R
R66 "RES - 0603" RES_0402 7423.31,1140 r0 bottom value=100R
R67 "RES - 0603" RES_0402 6983.31,1560 r0 top value=49R9
R68 "RES - 0603" RES_0402 6983.31,1700 r0 top value=49R9
R69 "RES - 0603" RES_0402 6983.31,1660 r0 top value=49R9
R70 "RES - 0603" RES_0402 7203.31,1800 r270 top value=49R9
R71 "RES - 0603" RES_0402 7203.31,720 r0 top value=50R
R72 "RES - 0603" RES_0402 7163.31,1800 r270 top value=49R9
R73 "RES - 0603" RES_0402 7565.81,1800 r270 top value=49R9
R74 "RES - 0603" RES_0402 7525.81,1800 r270 top value=49R9
R75 "RES - 0603" RES_0402 7683.31,1800 r270 top value=49R9
R76 "RES - 0603" RES_0402 7643.31,1800 r270 top value=49R9
R77 "RES - 0603" RES_0402 7223.31,800 r90 top value=51R
R78 "RES - 0603" RES_0402 7163.31,460 r180 top value=51R
R79 "RES - 0603" RES_0402 7803.31,1580 r0 top value=49R9
R80 "RES - 0603" RES_0402 7803.31,1620 r180 top value=49R9
R81 "RES - 0603" RES_0402 7263.31,800 r90 top value=51R
R82 "RES - 0603" RES_0402 7803.31,1460 r180 top value=49R9
R83 "RES - 0603" RES_0402 7303.31,720 r180 top value=51R
R84 "RES - 0603" RES_0402 7803.31,1500 r180 top value=49R9
R85 "RES - 0603" RES_0402 7243.31,1160 r0 bottom value=100R
R86 "RES - 0603" RES_0402 7323.31,1160 r180 bottom value=100R
R87 "RES - 0603" RES_0402 7443.31,1800 r270 top value=49R9
R88 "RES - 0603" RES_0402 7403.31,1800 r270 top value=49R9
R89 "RES - 0603" RES_0402 7323.31,1800 r270 top value=49R9
R90 "RES - 0603" RES_0402 7283.31,1800 r270 top value=49R9
R91 "RES - 0603" RES_0402 7383.31,1200 r0 top value=10K
R92 "RES - 0603" RES_0402 7623.31,1360 r180 top value=49R9
R93 "RES - 0603" RES_0402 7623.31,1400 r180 top value=49R9
R94 "RES - 0603" RES_0402 5860,845 r180 top value=300R
R95 "RES - 0603" RES_0402 5860,805 r0 top value=200R
R96 "RES - 0603" RES_0402 5780,1685 r270 top value=2K
R97 "RES - 0603" RES_0402 5820,420 r0 top value=62R
R98 "RES - 0603" RES_0402 5860,925 r0 top value=200R
R99 "RES - 0603" RES_0402 5860,1685 r270 top value=2K
R100 "RES - 0603" RES_0402 5860,965 r180 top value=300R
R101 "RES - 0603" RES_0402 5860,885 r180 top value=56R
R102 "RES - 0603" RES_0402 6020,940 r90 top value=300R
R103 "RES - 0603" RES_0402 6060,940 r270 top value=200R
R104 "RES - 0603" RES_0402 6080,1687.5 r270 top value=2K
R105 "RES - 0603" RES_0402 6300,420 r0 top value=62R
R106 "RES - 0603" RES_0402 6140,1005 r90 top value=200R
R107 "RES - 0603" RES_0402 6160,1680 r270 top value=2K
R108 "RES - 0603" RES_0402 6100,1005 r270 top value=300R
R109 "RES - 0603" RES_0402 6180,1005 r90 top value=56R
R110 "RES - 0603" RES_0402 5960,1805 r0 top value=49R9
R111 "RES - 0603" RES_0402 6040,1805 r180 top value=49R9
R112 "RES - 0603" RES_0402 3700,1315 r180 bottom value=30R
R113 "Part Number" POT_J_LEAD_TOP 3640,1195 r180 top value=5K
R114 "RES - 0603" RES_0402 3580,1315 r180 bottom value=30R
R115 "RES - 0603" RES_0402 3920,1035 r180 top value=0R
R116 "RES - 1206" RES_1206 3980,840 r90 top value=0R22
R117 "RES - 1206" RES_1206 3460,840 r90 top value=0R22
R118 "RES - 0603" RES_0402 4100,1235 r90 top value=30R
R119 "RES - 0603" RES_0402 3742.5,960 r0 bottom value=47K
R120 "RES - 0603" RES_0402 3662.5,960 r180 bottom value=47K
R121 "Part Number" POT_J_LEAD_TOP 3972.2,1194.96 r180 top value=5K
R122 "RES - 0603" RES_0402 3840,1235 r270 top value=30R
R123 "RES - 0603" RES_0402 2302.6,3780.94 r180 top value=1K
R124 "RES - 0603" RES_0402 2302.6,3580.94 r180 top value=1K
R125 "RES - 0603" RES_0402 7069.32,3591.28 r180 top value=1K
R126 "RES - 0603" RES_0402 7069.32,3391.28 r180 top value=1K
R127 "RES - 0603" RES_0402 1240,120 r180 top value=4.7K
R128 "RES - 0603" RES_0402 1740,120 r180 top value=4.7K
R129 "RES - 0603" RES_0402 1200,940 r0 bottom value=750R
R130 "RES - 0603" RES_0402 1551,1245.04 r0 bottom value=750R
R131 "RES - 0603" RES_0402 1280,800 r270 bottom value=100R
R132 "RES - 0603" RES_0402 1620,1100 r90 bottom value=100R
R133 "RES - 0603" RES_0402 1560,940 r180 bottom value=750R
R134 "RES - 0603" RES_0402 1200,1260 r180 bottom value=750R
R135 "RES - 0603" RES_0402 1620,800 r270 bottom value=100R
R136 "RES - 0603" RES_0402 1280,1120 r270 bottom value=100R
R137 "RES - 0603" RES_0402 900,1660 r270 top
R138 "RES - 0603" RES_0402 1240,1660 r270 top
R139 "RES - 0603" RES_0402 1018.03,1660 r90 top
R140 "RES - 0603" RES_0402 960,1660 r90 top
R141 "RES - 0603" RES_0402 1120,1660 r90 top
R142 "RES - 0603" RES_0402 720,1120 r180 top value=102K
R143 "100K" RES_0402 2910.48,2275.2 r270 top
R144 "RES - 0603" RES_0402 2900,3280 r0 bottom
R145 "RES - 0603" RES_0402 2940,2920 r180 bottom
R146 "RES - 0603" RES_0402 3085,2195 r180 top
R147 "RES - 0603" RES_0402 2780,3060 r270 bottom
R148 "RES - 0603" RES_0402 3190.48,2215.2 r90 top